# Altium PCB ART 6LoWPAN_V1.3.PcbDoc
Units mil, origin at the board's own origin, x right, y up, seen from the top; angles counter-clockwise.
Board outline 2698.21 x 2098.43 mil, 2 copper layers (Top Layer, Bottom Layer); 59 components, 63 nets, 271 pads, 102 vias.
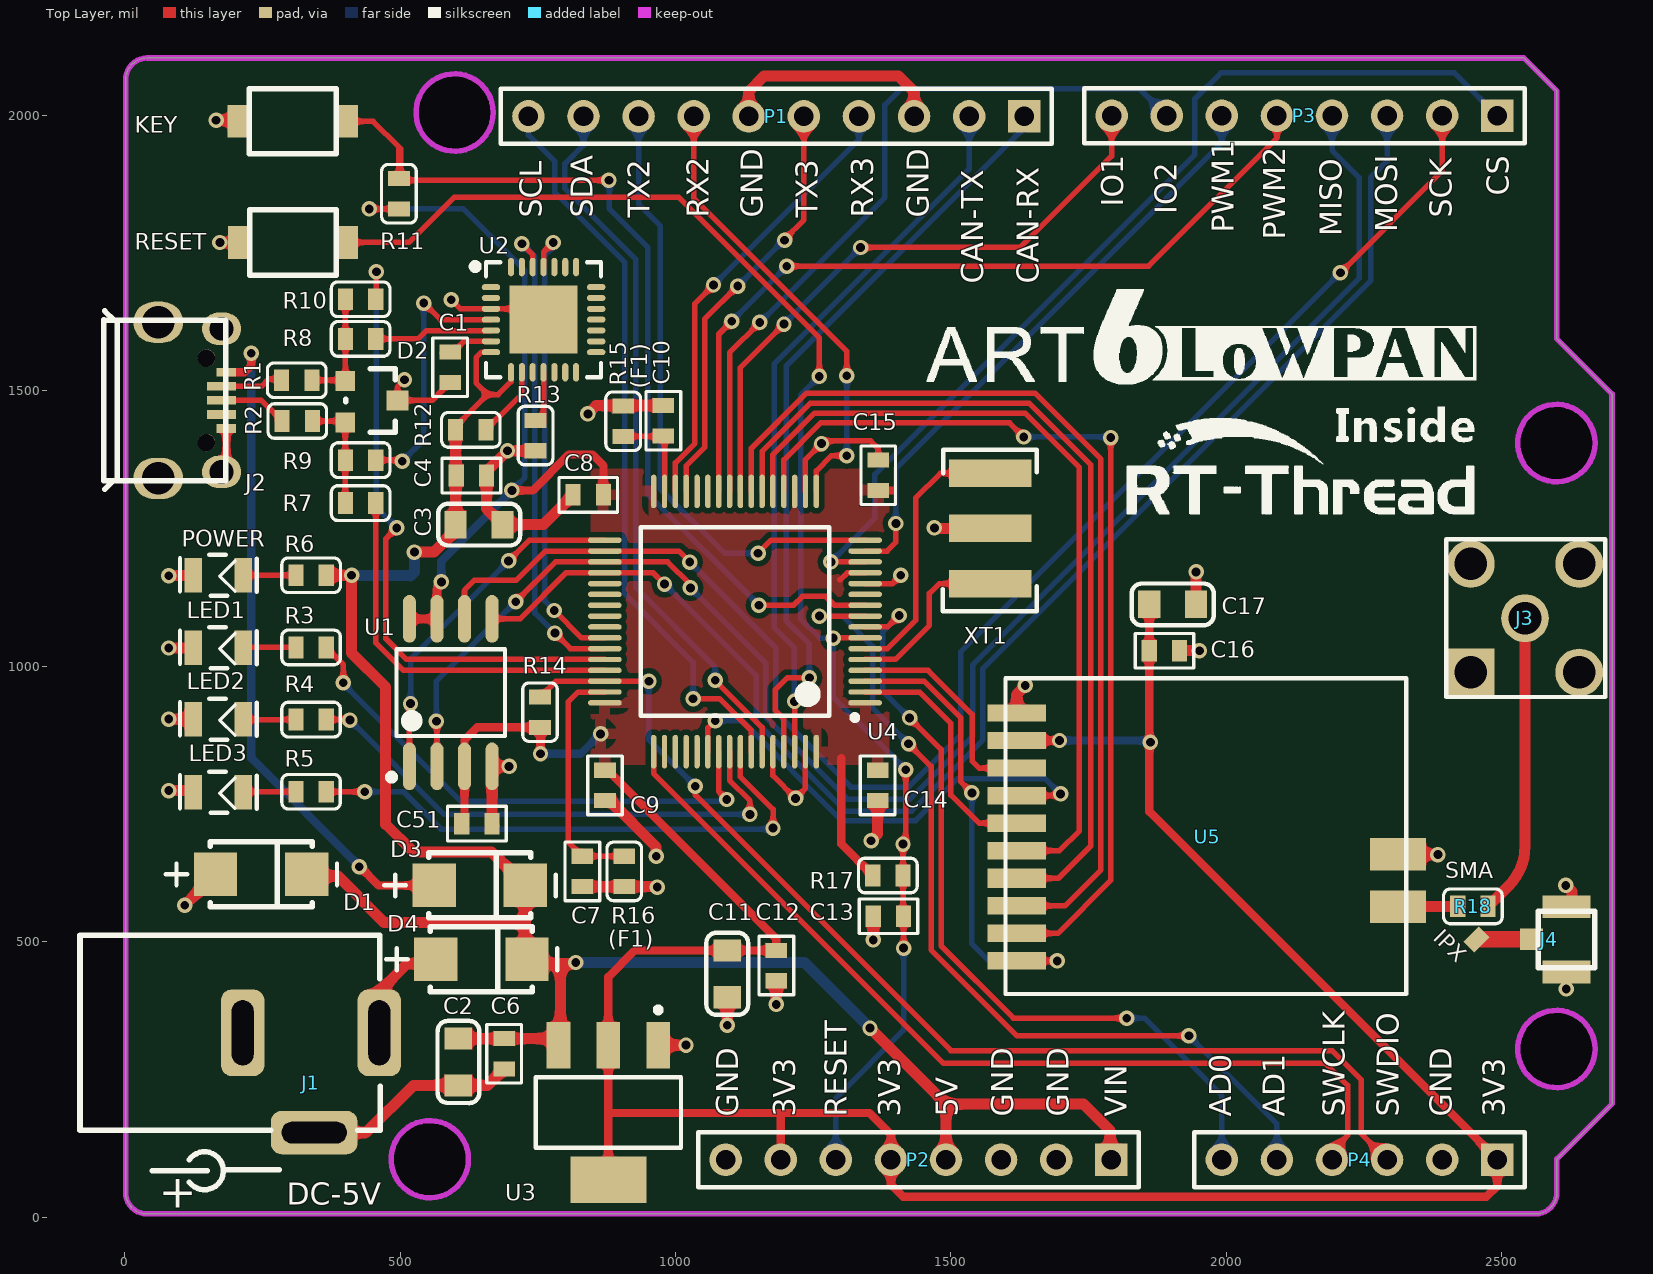
[diagram p0: Top Layer view]
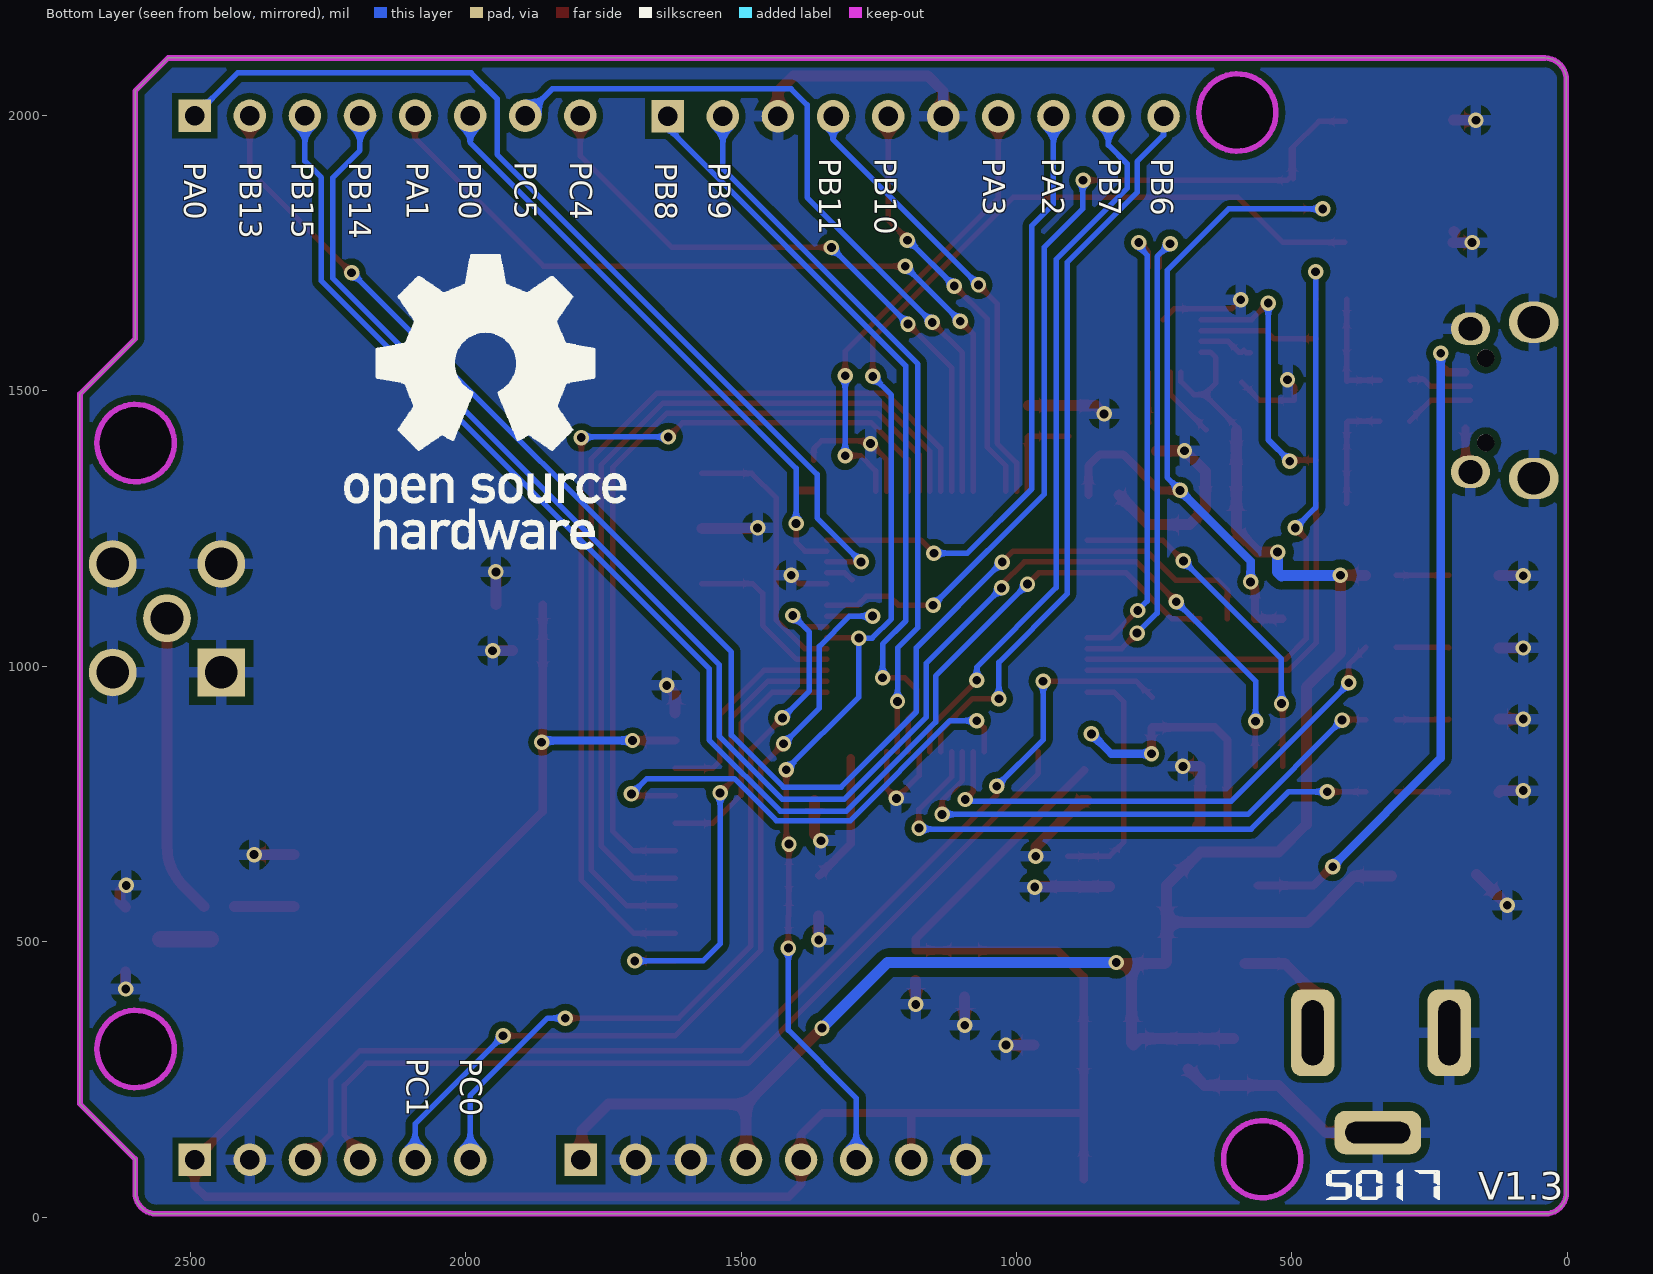
[diagram p1: Bottom Layer view, seen from below]
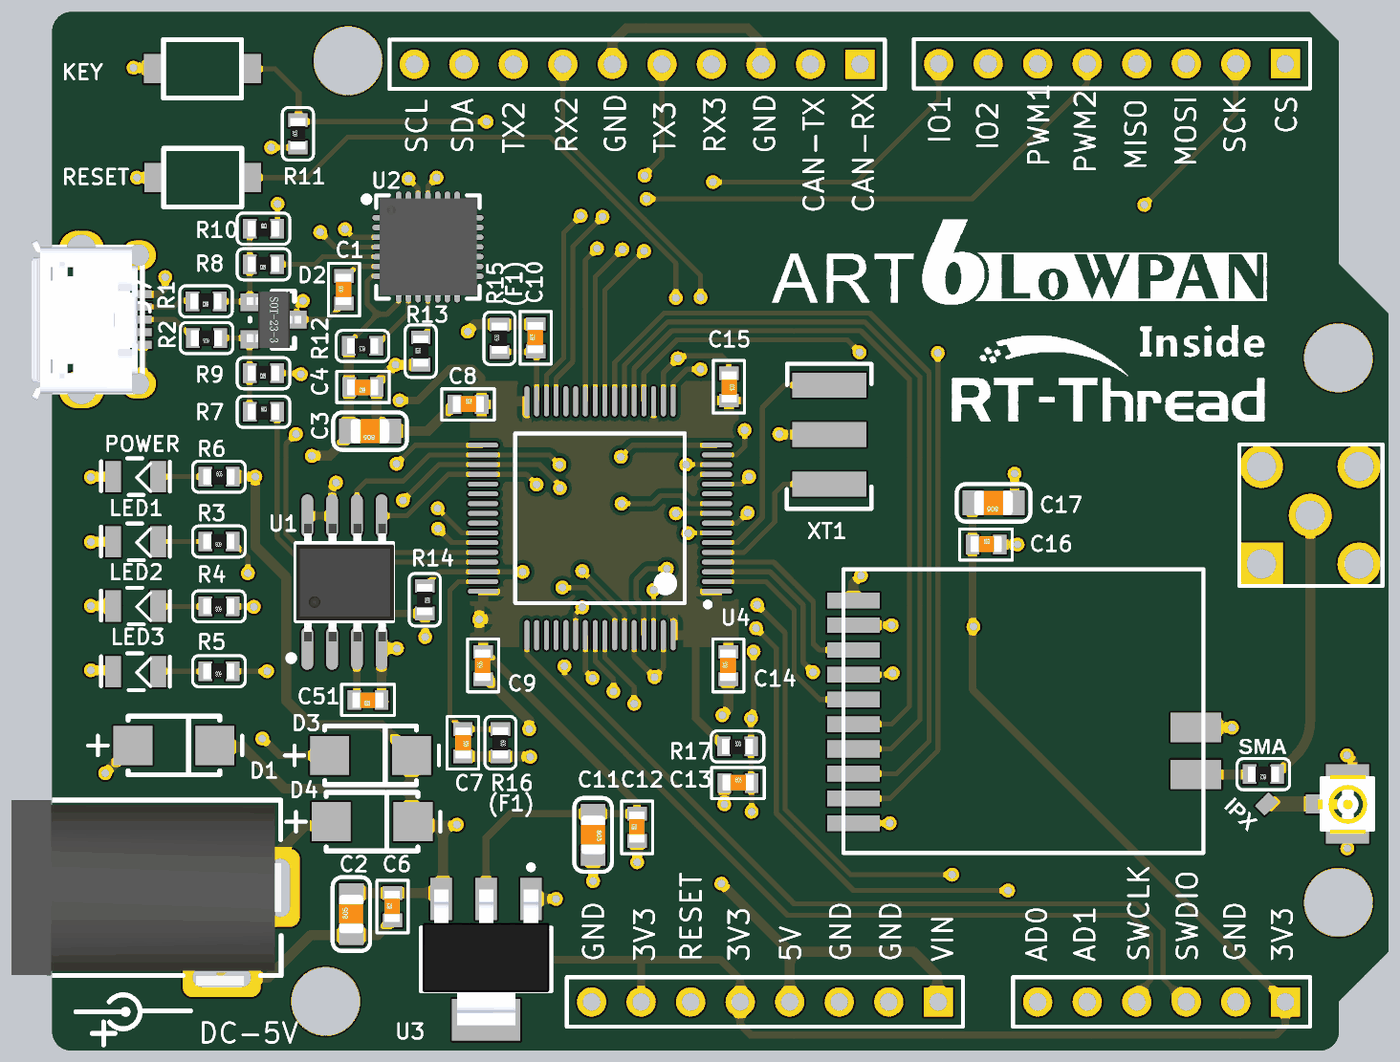
[diagram p2: 3D render of the assembled board from above, using the file's embedded part models]

## Layer stack, top to bottom
Top Solder: solder mask 0.4, Solder Resist, Dk 3.5
Top Layer: signal copper 1.4
Dielectric 1: dielectric 12.6, FR-4, Dk 4.8
Bottom Layer: signal copper 1.4
Bottom Solder: solder mask 0.4, Solder Resist, Dk 3.5

## Board outline
1.78,44.69 1.78,2063.98 cw(c41.35,2064.4) 40.93,2103.97 2540.05,2103.97 2600.03,2043.99 2600.03,1594.15 2699.99,1494.18 2699.99,205.47 2600.03,105.51 2600.03,44.69 cw(c2560.87,44.69) 2560.87,5.54 41.06,5.54 cw(c40.99,44.76)

## Design rules (kind name [scope] priority, off if disabled: settings)
AssemblyTestPointUsage [All] p1 off:
AssemblyTestpoint [All] p1 off: testpointundercomponent=TRUE minsize=40 maxsize=100 preferedsize=60 minholesize=0 maxholesize=40 preferedholesize=32 testpointgrid=1 usegrid=TRUE gridtolerance=0.01 allowsidetop=TRUE allowsidebottom=TRUE
Clearance Clearance_BX1 [InNet('NetBX1_2')] p1 off: gap=15
Clearance Clearance_5V [InNet('5V')] p2 off: gap=15
Clearance Clearance_3V3 [InNet('3V3')] p3 off: gap=10
Clearance Clearance_1 [All] p4: gap=7
ComponentClearance [All] p1 off: gap=10 collisioncheckmode=3 verticalgap=10 showdistances=FALSE
FabricationTestPointUsage [All] p1 off: valid=0 allowmultiple=FALSE
FabricationTestpoint [All] p1 off: side=3 testpointundercomponent=TRUE minsize=40 maxsize=100 preferedsize=60 minholesize=0 maxholesize=40 preferedholesize=32 testpointgrid=1 allowsidetop=TRUE allowsidebottom=TRUE usegrid=TRUE gridtolerance=0.01
Height [All] p1 off: minheight=0 maxheight=1000 prefheight=500
HoleSize [All] p1: absolutevalues=TRUE maxlimit=200 minlimit=1 maxpercent=80.000 minpercent=20.000
MinimumSolderMaskSliver [All] p1 off: minsoldermaskwidth=10
PasteMaskExpansion [All] p1 off: expansion=0
PlaneClearance [All] p1 off: clearance=20
PolygonConnect [All] p1: connectstyle=Relief reliefconductorwidth=20 reliefentries=4 polygonreliefangle="90 Angle" airgapwidth=15
RoutingVias [All] p1: holewidth=16 width=28 viastyle="Through Hole" minholewidth=16 minwidth=28 maxholewidth=100 maxwidth=150
SilkToSilkClearance [All] p1 off: silktosilkclearance=10
SilkToSolderMaskClearance [IsPad] p1 off: minsilkscreentomaskgap=10 clearancetoexposedcopper=TRUE
SolderMaskExpansion [All] p1 off: expansion=4
Width [All] p1: maxlimit=100 minlimit=10 preferedwidth=10 minimp=50.000000 maximp=50.000000 favimp=50.000000
18 further rules are at their usual default settings.

## Components (designator, comment, footprint, x,y, rotation, side; value= is the part's Value field where it differs from the comment)
C1 "104" C0603 591,1515 r90 top (schematic designator C32)
C2 "226" C0805 606,239 r90 top (schematic designator C18)
C3 "226" C0805 686,1257 r180 top (schematic designator C30)
C4 "104" C0603 657,1346 r180 top (schematic designator C31)
C6 "104" C0603 689,269 r90 top (schematic designator C1)
C7 "104" C0603 831,655 r270 top
C8 "104" C0603 814,1311 r0 top (schematic designator C9)
C9 "104" C0603 872,756 r90 top (schematic designator C15)
C10 "104" C0603 978,1418 r90 top (schematic designator C11)
C11 "226" C0805 1094,484 r270 top (schematic designator C4)
C12 "104" C0603 1183,429 r90 top (schematic designator C6)
C13 "104" C0603 1359,546 r0 top (schematic designator C16)
C14 "104" C0603 1367,756 r90 top (schematic designator C8)
C15 "104" C0603 1368,1374 r270 top (schematic designator C14)
C16 "104" C0603 1860,1028 r0 top (schematic designator C5)
C17 "226" C0805 1945,1112 r180 top (schematic designator C2)
C51 "104" C0603 667,714.12 r180 top
D1 "M7" SMA(DO-241AC) 165,622 r180 top
D2 "LESDA6V1L" SOT23 448,1480 r180 top (schematic designator D7)
D3 "SS14" SMA(DO-241AC) 562,602 r180 top
D4 "SS14" SMA(DO-241AC) 565,468 r180 top
J1 "DC005" DC-005A -81,511.61 r270 top (schematic designator J6)
J2 "Micro USB" "MICRO_USB_5S_B _1" 176,1533.62 r90 top (schematic designator J7)
J3 "SMA-KE" SMB-JE 2420,965 r0 top (schematic designator J1)
J4 "IPX天线座" IPX 2554,504 r270 top
KEY "轻触开关 4X3X2" K-4X3X2 384,2048 r180 top (schematic designator K2)
LED1 "LED0805G" LED0805 170,1033.33 r180 top
LED2 "LED0805" LED0805 170,903.67 r180 top
LED3 "LED0805G" LED0805 170,771 r180 top
P1 "2.54间距10针插针座" HDR1X10 1633,1998 r180 top (schematic designator P4)
P2 "2.54间距8针插针座" HDR1X8 1791,104 r180 top (schematic designator P1)
P3 "2.54间距8针插针座" HDR1X8 2491.73,1999 r180 top
P4 "2.54间距6针插针座" HDR1X6 2491.73,104.02 r180 top (schematic designator P2)
POWER "LED0805R" LED0805 170,1165 r180 top (schematic designator POWER1)
R1 "10" R0603 340,1519 r180 top (schematic designator R40)
R2 "10" R0603 341,1445 r180 top (schematic designator R41)
R3 "3K" R0603 366,1034 r180 top (schematic designator R57)
R4 "3K" R0603 366,903 r180 top (schematic designator R55)
R5 "3K" R0603 366,772 r180 top (schematic designator R56)
R6 "3K" R0603 311,1165 r0 top (schematic designator R7)
R7 "0" R0603 400.88,1296 r0 top (schematic designator R47)
R8 "0" R0603 456,1594 r180 top (schematic designator R45)
R9 "0" R0603 456,1374 r180 top (schematic designator R44)
R10 "0" R0603 400.88,1666 r0 top (schematic designator R46)
R11 "10k" R0603 498,1830 r90 top (schematic designator R48)
R12 "4.7K" R0603 656,1429 r180 top (schematic designator R42)
R13 "10K" R0603 746,1391 r90 top (schematic designator R43)
R14 "100K" R0603 754,944 r270 top (schematic designator R11)
R15 "0" R0603 905,1417 r90 top (schematic designator R52)
R16 "0" R0603 907,655 r270 top (schematic designator R51)
R17 "68K" R0603 1358,620 r0 top (schematic designator R20)
R18 "0" R0603 2475,564 r180 top (schematic designator R60)
RESET "轻触开关 4X3X2" K-4X3X2 227,1710 r0 top (schematic designator K1)
U1 "GD25Q128CSIG" LC_SOP8 592,952 r90 top (schematic designator U3)
U2 "CP2102" QFN-28 665,1688 r270 top (schematic designator U7)
U3 "AMS1117-3.3" SOT-223 878,190 r180 top (schematic designator U4)
U4 "STM32F405RGT6" LQFP64 1108,1081 r180 top (schematic designator U6)
U5 "E10-433MS" E10-433M 1596,915 r0 top
XT1 "8M_XT-SMD3" XT-SMD3 1571,1250 r90 top (schematic designator XT2)

## Footprints (in the part's own frame and the unit in brackets; to place one, negate y for a bottom-side part, rotate by r counter-clockwise, add the part's x,y. Pads: shape width x height; smd on the part's side, far side on the other; paste and mask are expansions set on the pad)
C0603 [mm]
  rect 0.7x1 smd: 1(0,0) 2(1.4,0)
  silkscreen extent -0.65,-0.8 2.05,0.8, body extent -0.09,-0.38 1.51,0.42, height 0.3
C0805 [mil]
  rect 40x50 smd: 1(0,0) 2(85,0)
  silkscreen extent -32,-38 117,38, body extent 3,-25 82,25, height 30
DC-005A [mm]
  rrect50% 4x2 hole 1 slot 3 at 0 deg: 1(4.5,13.8) 2(4.5,7.5)
  rrect50% 2x4 hole 1 slot 3 at 90 deg: 3(9.1,10.8)
  silkscreen extent 0,0 9,13.84, body extent 0,0.02 9.5,13.84, height 11.02
E10-433M [mm]
  rect 2.7x0.8 smd: 1(0.6,0) 2(0.6,-1.27) 3(0.6,-2.54) 4(0.6,-3.81) 5(0.6,-5.08) 6(0.6,-6.35) 8(0.6,-8.89) 9(0.6,-10.16) 10(0.6,-11.43)
  rect 2.7x0.9 smd: 7(0.6,-7.62)
  rect 2.6x1.5 smd: 11(18.172,-8.925) 12(18.172,-6.515)
  silkscreen extent 0.08,-12.96 18.55,1.59
HDR1X6 [mm] "Connector; Header; 6 Position"
  rect 1.5x1.5 hole 0.9: 1(0,0)
  round 1.5 hole 0.9: 2(2.54,0) 3(5.08,0) 4(7.62,0) 5(10.16,0) 6(12.7,0)
  silkscreen extent -1.27,-1.27 13.97,1.27
HDR1X8 [mm] "Connector; Header; 8 Position"
  rect 1.5x1.5 hole 0.9: 1(0,0)
  round 1.5 hole 0.9: 2(2.54,0) 3(5.08,0) 4(7.62,0) 5(10.16,0) 6(12.7,0) 7(15.24,0) 8(17.78,0)
  silkscreen extent -1.27,-1.27 19.05,1.27
HDR1X10 [mm] "Connector; Header; 10 Position"
  rect 1.5x1.5 hole 0.9: 1(0,0)
  round 1.5 hole 0.9: 2(2.54,0) 3(5.08,0) 4(7.62,0) 5(10.16,0) 6(12.7,0) 7(15.24,0) 8(17.78,0) 9(20.32,0) 10(22.86,0)
  silkscreen extent -1.27,-1.27 24.13,1.27
IPX [mm] "贴片IPX天线座"
  rect 1x1.05 smd: 1(0,0)
  rect 1.05x2.2 smd: 2(-1.5,1.608) 3(1.5,1.608)
  silkscreen extent -1.3,0.31 1.3,2.91, body extent -1.47,0.08 1.53,2.93, height 2
K-4X3X2 [mm] "2脚轻触开关"
  rect 1x1.5 smd: 1(-0.5,1.5) 2(4.5,1.5)
  silkscreen extent 0,0 4,3, body extent -0.03,0 4.06,3.02, height 2
LC_SOP8 [mm]
  oval 2.2x0.6 smd: 1(-3.4,1.905) 2(-3.4,0.635) 3(-3.4,-0.635) 4(-3.4,-1.905) 5(3.4,-1.905) 6(3.4,-0.635) 7(3.4,0.635) 8(3.4,1.905)
  silkscreen extent -4.05,-2.5 2,2.88, body extent -3.05,-2.54 3,2.48, height 1.6
LED0805 [mil]
  rect 32x62.99 smd: 1(-45.5,0) 2(45.5,0)
  silkscreen extent -70,-37 70,37, body extent -40,-27 40,23, height 36
LQFP64 [mm]
  oval 1.55x0.25 smd: 1(-6,3.75) 2(-6,3.25) 3(-6,2.75) 4(-6,2.25) 5(-6,1.75) 6(-6,1.25) 7(-6,0.75) 8(-6,0.25) 9(-6,-0.25) 10(-6,-0.75) 11(-6,-1.25) 12(-6,-1.75) 13(-6,-2.25) 14(-6,-2.75) 15(-6,-3.25) 16(-6,-3.75) 33(6,-3.75) 34(6,-3.25) 35(6,-2.75) 36(6,-2.25) 37(6,-1.75) 38(6,-1.25) 39(6,-0.75) 40(6,-0.25) 41(6,0.25) 42(6,0.75) 43(6,1.25) 44(6,1.75) 45(6,2.25) 46(6,2.75) 47(6,3.25) 48(6,3.75)
  oval 0.25x1.55 smd: 17(-3.75,-6) 18(-3.25,-6) 19(-2.75,-6) 20(-2.25,-6) 21(-1.75,-6) 22(-1.25,-6) 23(-0.75,-6) 24(-0.25,-6) 25(0.25,-6) 26(0.75,-6) 27(1.25,-6) 28(1.75,-6) 29(2.25,-6) 30(2.75,-6) 31(3.25,-6) 32(3.75,-6) 49(3.75,6) 50(3.25,6) 51(2.75,6) 52(2.25,6) 53(1.75,6) 54(1.25,6) 55(0.75,6) 56(0.25,6) 57(-0.25,6) 58(-0.75,6) 59(-1.25,6) 60(-1.75,6) 61(-2.25,6) 62(-2.75,6) 63(-3.25,6) 64(-3.75,6)
  silkscreen extent -5.65,-4.35 4.35,4.55, body extent -6.55,-6.54 6.57,6.57, height 1.21
"MICRO_USB_5S_B _1" [mm] "带固定脚的USB接口圆孔"
  round 0.8 hole 0.8: 0(-3.25,0.7) 0(0.65,0.7)
  rect 0.4x0.9 smd: 1(0,-0.225) 5(-2.6,-0.225)
  rect 0.4x1.35 smd: 2(-0.65,0) 3(-1.3,0) 4(-1.95,0)
  oval 1.5x1.8 hole 1.1: 6(-4.6,0) 7(2,0)
  oval 1.9x2.3 hole 1.5: 8(2.3,2.921) 9(-4.9,2.921)
  silkscreen extent -5.41,-0.2 2.82,5.43, body extent -5.43,0.04 2.77,5.47
QFN-28 [mm]
  rect 3.13x3.13 smd mask+0.051: 0(1.5,2.425)
  oval 0.28x0.85 smd mask+0.051: 1(0,0) 2(0.5,0) 3(1,0) 4(1.5,0) 5(2,0) 6(2.5,0) 7(3,0) 15(3,4.85) 16(2.5,4.85) 17(2,4.85) 18(1.5,4.85) 19(1,4.85) 20(0.5,4.85) 21(0,4.85)
  oval 0.85x0.28 smd mask+0.051: 8(3.925,0.925) 9(3.925,1.425) 10(3.925,1.925) 11(3.925,2.425) 12(3.925,2.925) 13(3.925,3.425) 14(3.925,3.925) 22(-0.925,3.925) 23(-0.925,3.425) 24(-0.925,2.925) 25(-0.925,2.425) 26(-0.925,1.925) 27(-0.925,1.425) 28(-0.925,0.925)
  silkscreen extent -1.15,-0.87 4.15,5.07, body extent -1,-0.06 4,4.94, height 1
R0603 [mm]
  rect 0.7x1 smd: 1(0,0) 2(1.4,0)
  silkscreen extent -0.65,-0.8 2.05,0.8, body extent -0.1,-0.4 1.5,0.4, height 0.3
SMA(DO-241AC) [mm]
  rect 2x2 smd: 1(0,0) 2(-4.2,0)
  silkscreen extent -5.6,-1.5 2.3,1.5
SMB-JE [mm]
  rect 2.2x2.2 hole 1.5: 1(0.6,0.6)
  round 2.2 hole 1.5: 2(5.6,0.6) 3(5.6,5.6) 4(0.6,5.6) 5(3.1,3.1)
  silkscreen extent -0.53,-0.53 6.81,6.73, body extent 0.08,0.11 6.17,6.08, height 8.01
SOT23 [mil]
  rect 36x36 smd: 1(47.5,-37.5) 2(47.5,37.5)
  rect 40x36 smd: 3(-47.5,-2.5)
  silkscreen extent -43,-60 47,55, body extent -57,-59 54,55, height 47
SOT-223 [mm] "SOT-223/SC-73; 4 Leads; Body 6.7 x 7.3 mm, inc. leads (LxW max)"
  rect 1.1x2.15 smd: 1(-2.3,-3.1) 2(0,-3.1) 3(2.3,-3.1)
  rect 3.5x2.15 smd: 4(0,3.1)
  silkscreen extent -3.35,-4.85 3.35,1.63, body extent -3.25,-3.58 3.25,3.38, height 1.65
XT-SMD3 [mm] "3脚贴片晶振"
  rect 1.27x3.8 smd: 1(-2.54,0) 2(2.54,0) 3(0,0)
  silkscreen extent -3.81,-2.16 3.63,2.18, body extent -3.81,-1.78 3.68,1.78, height 1.5

## Part data
C1 C3 C4 C7 C8 C9 C10 C13 C14 C15: library part C0603
C2 C6 C11 C12 C16 C17 C51: library part Cap, "Capacitor"
D1 D3 D4: library part 4148
D2: library part SM712
J1 J4: library part "Header 3", "Header, 3-Pin"
J2: library part "Header 9", "Header, 9-Pin"
J3: library part 天线
KEY RESET: library part "Header 2", "Header, 2-Pin"
LED1 LED2 LED3: library part LED3, "Typical BLUE SiC LED"
P1: library part "Header 10", "Header, 10-Pin"
P2 P3: library part "Header 8", "Header, 8-Pin"
P4: library part "Header 6", "Header, 6-Pin"
POWER: library part LED0805
R1 R2 R7 R8 R9 R10 R12 R13 R14 R15 R16 R17 R18: library part R0603
R3 R4 R5 R6 R11: library part Res2, "Resistor"
U1: "SPIFLASH"
U3: library part LM1117-3.3
U4: library part STM32F103RBT6, "STM32 ARM-based 32-bit MCU with 128 Kbytes Flash, 64-pin LQFP, Industrial Temperature"
U5: "SI4463芯片433MHZ无线模块"
XT1: library part XT-SMD3, "Crystal Oscillator"

## Free pads (board coordinates)
  round 137.8 hole 137.8: 0(554,105) 0(599,2005) 0(2599,305) 0(2599,1405)
  round 20 on Top Overlay: 2(150,84)
  rect 39.37x27.56 smd rot 45: 3(2454,504)

## Via types
v1: diameter 28, hole 16, Top Layer to Bottom Layer, 102 vias

## Nets (pads, with @x,y where several pads share a name; then routed paths per layer and width w, separated by ;. In a path a pad name is that pad's centre, name@x,y a point inside that pad or via, vN(x,y) a via of type N, cw(c..) or ccw(c..) an arc to the next point about the centre after c; other vN are vias at no path point)
3V3: C8.2 C9.2 C11.1 C12.2 C14.2 C15.2 C16.1 C17.2 C51.2 P2.5 P2.7 P4.1 R11.1 R14.2 R17.1 U1.3 U1.7 U1.8 U3.2 U3.4 U4.1 U4.13 U4.19 U4.32 U4.48 U4.64 U5.2 | length 6696.4
  Top Layer w10: v1(444,1830) R11.1 ; 1298,1157 1299.24,1157 1311.82,1169.58 U4.13
  Top Layer w15: U1.8 U1.7 567,1145 v1(575,1153) ; C51.2@616,710 617,711 U1.3 617,866 639.88,888.88 R14.2 755,887.88 v1(755,841) ; v1(703,1319) 741,1319 806,1384 849,1384 869.12,1363.88 C8.2 ; C9.2@876.88,811.12 1183,505 C12.2 1182.88,484 C11.1 926,484 878,436 U3.4 ; 882,189 1352,189 1391,150 P2.5 1391,59 1413,37 2472,37 2491.73,56.73 P4.1 1860,735.75 C16.1 C17.2 ; P2.7 1191,184 ; 1301,833 1301,677 R17.1 ; C15.2 1393.88,1318.88 ; U5.2 v1(1697,865)
  Bottom Layer w10: v1(444,1830) 615,1830 726.75,1718.25 726.75,1342.75 v1(703,1319)
  Bottom Layer w15: v1(575,1153) 575,1191 v1(703,1319) ; v1(755,841) 828,841 v1(864,877) ; v1(1697,865) 1859,865 v1(1862,862)
5V: C2.2 C3.2 C4.2 C6.2 D1.2 D3.2 D4.2 P2.1 P2.4 R6.2 R12.2 U2.7 U2.8 U3.3 | length 3779.1
  Top Layer w10: R12.2 600.88,1434.88 659,1493 ; U2.7 647.89,1569.89 638,1560 638,1514 659,1493 ; U2.8 701.42,1516.42 678,1493 659,1493
  Top Layer w20: D1.2@319,619 387,619 471,535 727.35,535 ; R6.2 v1(412,1165) 412,1024 474,962 474,713 524,663 666.35,663 D3.2 727.35,535 ; v1(526,1207) 562,1207 600.88,1245.88 R12.2 ; C2.2 775.5,324 U3.3 791,315.6 791,460 ; v1(819,462) 817,460 791,460 ; v1(1353,343) 1491,205 ; P2.4 1491,205 ; P2.1@1795.63,104 1789,110.63 1789,157 1741,205 1491,205 ; 727.35,535 727.35,463 730.35,460 791,460
  Bottom Layer w20: v1(412,1165) 518,1165 519,1164 526,1171 v1(526,1207) ; v1(819,462) 1234,462 v1(1353,343)
ADC10: P4.6 U4.8 | length 1472.7
  Top Layer w10: U4.8 1385.16,1071.16 v1(1406,1092) ; v1(1425,906) 1482,849 1482,492.46 1613.46,361 v1(1819,361)
  Bottom Layer w10: v1(1406,1092) 1376,1062 1376,955 v1(1425,906) v1@1427,906 ; v1(1819,361) 1851,361 1991.73,220.27 P4.6 ; P4.6@1975.98,104.02 P4.6@1980,108.03
ADC11: P4.5 U4.9 | length 1626.3
  Top Layer w10: v1(1261.16,1090.84) U4.9 ; v1(1423,859) 1464,818 1464,485 1620,329 v1(1932,329) v1@1932,334
  Bottom Layer w10: v1(1261.16,1090.84) 1303.16,1090.84 1358,1036 1358,924 v1(1423,859) ; v1(1932,329) 2091.73,169.27 P4.5
CAN1_RX: P1.1 U4.61 | length 1405.1
  Top Layer w10: U4.61 1196.58,904.42 1181,920 1181,957 1203,979 v1(1243,979)
  Bottom Layer w10: v1(1243,979) 1243,1040 1201,1082 1201,1545 1633,1977 P1.1
CAN1_TX: P1.2 U4.62 | length 1328.1
  Top Layer w10: v1(1216,936) v1@1216.27,936 ; U4.62 v1@1216.27,936 ; v1@1220,936.27 v1@1219.27,937 ; v1@1216.27,936 1216.27,940 v1@1219.27,937 ; v1@1216.27,936 1218.27,936 v1@1219.27,937
  Bottom Layer w10: v1(1216,936) 1216,1033 1179,1070 1179,1548.46 1533,1902.46 P1.2
E_CS: P3.1 U4.14 | length 1777.3
  Top Layer w10: v1(1282,1189.27) U4.14
  Bottom Layer w10: v1(1282,1189.27) 1362,1269.27 1362,1348 1943,1929 1943,2030 1990,2077 2413.73,2077 P3.1
GND: C1.1 C2.1 C3.1 C4.1 C6.1 C7.2 C8.1 C9.1 C10.2 C11.2 C12.1 C13.1 C14.1 C15.1 C16.2 C17.1 C51.1 D1.1 D2.3 J1.2 J1.3 J2.5 J2.6 J2.7 J2.8 J2.9 J3.1 J3.2 J3.3 J3.4 J4.2 J4.3 KEY.2 LED1.2 LED2.2 LED3.2 P1.3 P1.6 P2.2 P2.3 P2.8 P4.2 POWER.2 R13.1 R15.2 R16.2 RESET.1 U1.4 U2.0 U2.3 U3.1 U4.12 U4.18 U4.60 U4.63 U5.1 U5.12 XT1.3 | length 3614.1
  Top Layer w10: v1(508,1520) 495.5,1507.5 D2.3 558.5,1482.5 C1.1 ; v1(593,1665) 609.37,1648.63 713.79,1648.63 U2.0@733.47,1628.94 ; U4.60 1176.9,801.1 v1(1218,760) 1235.95,777.95 U4.63 ; U4.18 1235.95,1374.95 v1(1265,1404) 1270,1409 1354,1409 1368,1395 C15.1 ; U4.12 1393.9,1149.9 v1(1409,1165)
  Top Layer w15: J2.6 184.84,1361.36 J2.5
  Top Layer w20: v1(80,774) 121.5,774 LED3.2 ; v1@82,1164 83,1165 POWER.2 ; v1@83,1033 83.33,1033.33 LED1.2 ; v1@88,904 88.33,903.67 LED2.2 ; v1@108,566 v1(109,566) D1.1 ; v1(166,1991) KEY.2@206.83,1991 ; v1(173,1769) 173.06,1769.06 RESET.1 ; RESET.1@203.89,1787 RESET.1@205.83,1788.94 ; J1.3 438.35,153.35 524,239 C2.1 659,239 C6.1 ; C51.1@671.12,710 C51.1 U1.4 697.86,818.14 v1(698,818) ; R13.1 v1(695,1391) 657,1353 C4.1 657,1286 C3.1 760,1257 C8.1 ; C7.2 R16.2 966.12,599.88 v1(967,599) ; v1(841,1458) 856.12,1473.12 C10.2 ; C9.1 881,756 965,672 v1(965,655) ; U3.1 v1(1019.05,312.05) ; v1(1094,348) C11.2 ; P1.6 1133,2043 1161,2071 1405,2071 1433,2043 P1.3 ; v1(1183,386) C12.1 ; v1(1355,683) 1367,695 C14.1 ; v1(1359,503) C13.1 ; v1(1470,1251) 1471,1250 XT1.3 ; U5.1 1619.62,949.62 v1(1635,965) ; C16.2 v1(1951,1028) ; C17.1 v1(1945,1171) ; U5.12 2383.5,658.5 v1(2384,658) ; v1(2616,602) 2627,591 2627,572.75 J4.2 ; v1(2617,414) 2617.31,414.31 J4.3
  other v1: 80,904 80,1033 80,1164
GPIO0: U4.4 U5.3 | length 398.7
  Top Layer w10: U4.4 1458.58,992.42 1538.5,912.5 1538.5,827.5 1551,815 U5.3
GPIO1: U4.54 U5.4 | length 883.3
  Top Layer w10: U4.54 1058.79,887.79 v1(1072,901) ; U5.4 v1@1696,765
  Bottom Layer w10: v1(1072,901) 1120.5,901 1301.73,719.77 1435.81,719.77 1512.04,796 1671,796 v1(1699,768)
I2C1_SCL: P1.10 U4.58 | length 1348.8
  Top Layer w10: v1(1032,941) 1079.82,941 1137.53,883.29 U4.58
  Bottom Layer w10: P1.10 733,1964 781,1916 781,1860 908,1733 908,1131 1032,1007 v1(1032,941)
I2C1_SDA: P1.9 U4.59 | length 1315.7
  Top Layer w10: v1(1072,974.27) 1157.21,889.06 U4.59
  Bottom Layer w10: P1.9 833,1946 799,1912 799,1867.46 928,1738.46 928,1142.43 1072,998.43 v1(1072,974.27)
LED1: R3.1 U4.55 | length 957.1
  Top Layer w10: R3.1 397,1003 v1(397,970) ; U4.55 1078.47,772.53 v1(1093,758)
  Bottom Layer w10: v1(397,970) 397,968 610,755 1090,755 v1(1093,758)
LED2: R4.1 U4.56 | length 971.9
  Top Layer w10: R4.1 v1@412,903 ; U4.56 1098.16,792.84 1135,756 v1(1135,731)
  Bottom Layer w10: v1(409,902) 580,731 v1(1135,731)
LED3: R5.1 U4.57 | length 1003.3
  Top Layer w10: R5.1 v1(436,772) ; U4.57 1117.84,799.16 1177,740 v1(1177,706)
  Bottom Layer w10: v1(436,772) 506,772 574,704 1175,704 v1(1177,706)
NetC1_2: C1.2 U2.6 | length 95.5
  Top Layer w10: C1.2@576,1569.12 583.12,1569.12 C1.2@587.56,1573.56 ; C1.2 596.54,1570.12 616,1589.57 U2.6
NetC7_1: C7.1 R16.1 U4.47 | length 441
  Top Layer w10: U4.47 823.05,953.05 805,935 805,681 C7.1 R16.1
NetC10_1: C10.1 R15.1 U4.31 | length 175
  Top Layer w10: R15.1 977,1417 C10.1 980.05,1415.95 U4.31
NetD2_1: D2.1 R1.1 R8.2 R10.1 | length 210.2
  Top Layer w10: R1.1 398,1519 400,1517 D2.1 400.88,1517.88 R10.1
NetD2_2: D2.2 R2.1 R7.1 R9.2 | length 207.2
  Top Layer w10: R2.1 398,1445 D2.2 400.5,1296.5 400.88,1296.12 R7.1@401,1296
NetD4_1: D4.1 J1.1 | length 218.5
  Top Layer w20: J1.1 462.31,409.31 513,460 D4.1@585,460
NetJ2_2: J2.2 R1.2 | length 115.1
  Top Layer w10: J2.2 248.25,1508.03 261.22,1521 282.88,1521 R1.2
NetJ2_3: J2.3 R2.2 | length 125.4
  Top Layer w10: J2.3 248.44,1482.44 R2.2
NetJ3_5: J3.5 R18.1 | length 546.5
  Top Layer w20: R18.1 2512.76,601.76 ccw(c2442.05,672.47) 2542.05,672.47 J3.5
NetJ4_2: J4.1 pad.3 | length 91
  Top Layer w30: pad.3@2463,504 J4.1
NetKEY_1: KEY.1 R11.2 U4.10 | length 1690
  Top Layer w10: KEY.1 451.06,1988.94 498,1942 ; R11.2 498,1942 ; v1(879,1882) 509.12,1882 501,1890.12 501,1939 498,1942 ; v1(1151.47,1110.53) 1214.53,1110.53 1230.5,1126.5 1272.5,1126.5 1288.47,1110.53 U4.10
  Bottom Layer w10: v1@880,1877 880,1830 950,1760 950,1312 v1(1151.47,1110.53)
NetLED2_1: LED2.1 R4.2 | length 95.7
  Top Layer w10: LED2.1 216.17,903 R4.2
NetLED3_1: LED3.1 R5.2 | length 95.8
  Top Layer w10: LED3.1 216.5,772 R5.2
NetPOWER_1: POWER.1 R6.1 | length 95.5
  Top Layer w10: POWER.1 R6.1
NetR3_2: LED1.1 R3.2 | length 95.7
  Top Layer w10: LED1.1 216.17,1034 R3.2
NetR8_1: R8.1 U2.5 | length 215.3
  Top Layer w10: R8.1 532.48,1594 547.74,1609.26 U2.5
NetR9_1: R9.1 U2.4 | length 486.4
  Top Layer w10: R9.1 502,1374 v1(504,1372) ; v1(543,1659) 573.06,1628.94 U2.4
  Bottom Layer w10: v1(504,1372) 543,1411 v1(543,1659)
NetR12_1: R12.1 U2.9 | length 131.4
  Top Layer w10: R12.1 721.1,1494.1 U2.9
NetR13_2: R13.2 U2.11 | length 91.5
  Top Layer w10: R13.2@760,1442.12 760.47,1442.59 U2.11
NetR18_2: R18.2 U5.11 | length 108.1
  Top Layer w20: U5.11 R18.2@2419.5,563.62
NetU4_5: U4.5 XT1.1 | length 317.8
  Top Layer w10: U4.5 1399,1012.1 1461,1074.1 1461,1132 1479,1150 XT1.1
NetU4_6: U4.6 XT1.2 | length 488.6
  Top Layer w10: U4.6 1384.79,1031.79 1436,1083 1436,1305 1481,1350 XT1.2
NRST: C13.2 P2.6 R17.2 RESET.2 U4.7 | length 2707.8
  Top Layer w10: RESET.2 516.06,1769.06 598,1851 1006,1851 1261,1596 v1(1261,1526) ; v1(1286,1051) 1286.47,1051.47 U4.7 ; v1@1414,488 v1(1414.12,488.12) C13.2 1413,547.12 v1(1413,677) 1418,682 v1(1418,812)
  Bottom Layer w10: v1(1261,1526) 1227,1492 1227,1086 1262,1051 v1(1286,1051) 1286,944 v1(1418,812) ; P2.6 1291,216 1414.12,339.12 v1(1414.12,488.12)
PA1: P3.6 U4.15 | length 1081.5
  Top Layer w10: U4.15 1383.95,1208.95 1400,1225 v1(1400,1259)
  Bottom Layer w10: v1(1400,1259) 1400,1359 1991.73,1950.73 P3.6
PB0: P3.5 U4.26 | length 1486.3
  Top Layer w10: U4.26 1078.47,1602.47 v1(1102,1626) ; v1(1202,1726) 1859,1726 2091.73,1958.73 P3.5
  Bottom Layer w10: v1(1102,1626) v1(1202,1726)
PC4: P3.8 U4.24 | length 1130.6
  Top Layer w10: U4.24 1117.84,1541.84 v1(1197,1621) ; v1(1336,1760) 1625.73,1760 1791.73,1926 P3.8
  Bottom Layer w10: v1(1197,1621) v1(1336,1760)
PC5: P3.7 U4.25 | length 1362.6
  Top Layer w10: U4.25 1098.16,1569.16 v1(1153,1624)
  Bottom Layer w10: v1(1153,1624) 1380,1851 1380,2019 1409,2048 1842.73,2048 P3.7
SDN: U4.3 U5.10 | length 860.9
  Top Layer w10: U4.3 1451.27,972.73 1518,906 1518,790 v1(1538,770) ; U5.10 v1(1693,465)
  Bottom Layer w10: v1(1538,770) 1538,496 1569,465 v1(1693,465)
SPI1_INT: U4.2 U5.5 | length 450.2
  Top Layer w10: U4.2 1442.95,953.05 1500,896 1500,766 1551,715 U5.5
SPI1_MISO: U4.22 U5.7 | length 1602.3
  Top Layer w10: U4.22 1157.21,1389.67 1245.04,1477.5 1641.96,1477.5 1754,1365.46 1754,674 1695,615 U5.7
SPI1_MOSI: U4.23 U5.8 | length 1728.9
  Top Layer w10: U4.23 1137.53,1395.44 1237.59,1495.5 1652.5,1495.5 1772,1376 1772,630 1707,565 U5.8
SPI1_NSS: U4.20 U5.9 | length 1703.6
  Top Layer w10: U4.20 1196.58,1374.58 1263.5,1441.5 1606.5,1441.5 v1(1632,1416) ; U5.9 1694,515 1790,611 v1(1790,1415)
  Bottom Layer w10: v1(1632,1416) 1789,1416 v1(1790,1415)
SPI1_SCK: U4.21 U5.6 | length 1483.2
  Top Layer w10: U4.21 1176.9,1383.9 1252.5,1459.5 1634.5,1459.5 1733,1361 1733,701 1697,665 U5.6
SPI2_MISO: P3.4 U1.2 U4.35 | length 2942.3
  Top Layer w10: v1(566,900) 567,899 U1.2 ; v1(710,1117) 782.27,1189.27 U4.35 985.73,1189.27 1027,1148 v1(1027,1142)
  Bottom Layer w10: v1(566,900) 566,973 v1(710,1117) ; v1(1027,1142) 1164,1005 1164,907 1312.5,758.5 1425.31,758.5 1539.5,872.69 1539.5,1002.5 2241,1704 2241,1887 2191.73,1936.27 P3.4
SPI2_MOSI: P3.3 U1.5 U4.36 | length 2644.3
  Top Layer w10: U1.5 717.86,1085.86 801.58,1169.58 U4.36 959.42,1169.58 v1(980,1149)
  Bottom Layer w10: v1(980,1149) 1147,982 1147,898.54 1308.77,736.77 1428.77,736.77 1558,866 1558,995.54 2262,1699.54 2262,1887 2291.73,1916.73 P3.3
SPI2_NSS: U1.1 U4.33 | length 637.8
  Top Layer w10: U1.1 517,930 v1(519,932) ; v1(697,1191) 734.64,1228.64 U4.33
  Bottom Layer w10: v1(519,932) 519,1013 644,1138 v1(697,1191)
SPI2_SCK: P3.2 U1.6 U4.34 | length 2753.4
  Top Layer w10: U1.6 617,1138 635,1156 711,1156 763.95,1208.95 U4.34 1006.05,1208.95 v1(1026,1189) ; v1(2207,1714) 2391.73,1898.73 P3.2
  Bottom Layer w10: v1(1026,1189) 1182,1033 1182,917 1318.5,780.5 1423.27,780.5 1517.54,874.77 1517.54,1025.46 2206.09,1714 v1(2207,1714)
SWCLK: P4.4 U4.49 | length 1680.5
  Top Layer w10: U4.49 960.36,805.16 1486.52,279 2180,279 2220,239 2220,148.27 2191.73,120 P4.4
SWDIO: P4.3 R14.1 U4.46 | length 2038.8
  Top Layer w10: R14.1 782.73,972.73 U4.46 v1(951.73,972.73) ; v1(1036,782) 1036,766 1500,302 2192,302 2245,249 2245,150.75 P4.3
  Bottom Layer w10: v1(951.73,972.73) 951.73,866.27 v1(1036,782)
U1_RX: U2.26 U4.43 | length 884.5
  Top Layer w10: v1(721.21,1766.79) 740.79,1747.21 U2.26 ; v1(781,1060) 809.21,1031.79 U4.43
  Bottom Layer w10: v1(721.21,1766.79) 744.75,1743.25 744.75,1096.25 v1(781,1060)
U1_TX: U2.25 U4.42 | length 845.6
  Top Layer w10: U2.25 760.47,1751.47 v1(778,1769) ; v1(780,1101) 829.53,1051.47 U4.42
  Bottom Layer w10: v1(778,1769) 778,1761.25 762.75,1746 762.75,1118.25 v1(780,1101)
U2_RX: P1.7 U4.17 | length 835.3
  Top Layer w10: P1.7 1033,1849.46 1311,1571.46 v1(1311,1527) ; U4.17 1255.64,1354.64 1283,1382 v1(1311,1382)
  Bottom Layer w10: v1(1311,1382) v1(1311,1527)
U2_TX: P1.8 U4.16 | length 1122.6
  Top Layer w10: v1(1150,1205) 1173.64,1228.64 U4.16
  Bottom Layer w10: P1.8 933,1838.82 972,1799.82 972,1322 1089,1205 v1(1150,1205)
U3_RX: P1.4 U4.30 | length 818.8
  Top Layer w10: U4.30 999.73,1369.19 1035,1404.46 1035,1658 v1(1069,1692)
  Bottom Layer w10: v1(1069,1692) 1333,1956 P1.4
U3_TX: P1.5 U4.29 | length 770.4
  Top Layer w10: U4.29 1019.42,1363.42 1053,1397 1053,1630 v1(1113,1690) ; v1(1198,1773) 1198,1775 1233,1810 P1.5
  Bottom Layer w10: v1(1113,1690) 1196,1773 v1(1198,1773)
USB_FS_DM: R10.2 U4.44 | length 1153.6
  Top Layer w10: R10.2 457,1667 v1(457,1716) ; v1(494,1251) 474,1231 474,1049.87 511.77,1012.1 U4.44
  Bottom Layer w10: v1(457,1716) 457,1288 v1(494,1251)
USB_FS_DP: R7.2 U4.45 | length 690.1
  Top Layer w10: R7.2 456,1042.42 506,992.42 U4.45
VBUS: D3.1 J2.1 | length 1236.7
  Top Layer w15: J2.1 217.62,1533.62 230,1546 v1(230,1568) ; v1(426,636) 426,637 461,602 D3.1
  Bottom Layer w15: v1(230,1568) 230,833 v1@426.5,636.5
pads on no net: J2.0 J2.4 U2.1 U2.2 U2.10 U2.12 U2.13 U2.14 U2.15 U2.16 U2.17 U2.18 U2.19 U2.20 U2.21 U2.22 U2.23 U2.24 U2.27 U2.28 U4.11 U4.27 U4.28 U4.37 U4.38 U4.39 U4.40 U4.41 U4.50 U4.51 U4.52 U4.53

## Polygon pours and split planes (outlines as drawn)
GND on Bottom Layer "GND" (solid, remove dead copper, pour order 0): -13,2095 -39,2069 -39,31 -39,1 -36,-2 -33,-5 2696,-5 2696,2081 2684,2093
3V3 on Top Layer "Power" (solid, remove dead copper, pour order 2): 847.89,1358.08 845.89,1356.08 845.89,821.08 1386.89,821.08 1388.89,823.08 1387.89,824.08 1387.89,1358.08

## Keep-outs
Keep-Out Layer:
  circle w0.25: c40.93,2103.97 r0.12
  circle w0.25: c40.93,5.54 r0.12
  circle w0.25: c-224.84,5.54 r0.12
  circle w0.25: c2699.99,205.47 r0.12
  circle w0.25: c1.78,205.47 r0.12
  circle w10: c599,2005 r70.16
  circle w10: c554,105 r70.16
  circle w10: c2599,305 r70.16
  circle w10: c2599,1405 r70.16
  lines w10: 40.93,5.54 2560.87,5.54 ccw(c2560.87,44.69) 2600.03,44.69 2600.03,105.51 2699.99,205.47 2699.99,1494.18 2600.03,1594.15 2600.03,2043.99 2540.05,2103.97 40.93,2103.97 ccw(c41.35,2064.4) 1.78,2063.98 1.78,44.69 ccw(c40.99,44.76) 41.06,5.54

## Silkscreen, mask and mechanical layers (free items; w line width, h text height)
Top Overlay:
  drawing of 3083 lines, arcs and shapes, not listed
  text "CS" at 2513,1853.99 h40 r90
  text "IO1" at 1813,1834 h40 r90
  text "IO2" at 1910,1820.66 h40 r90
  text "SCL" at 757,1814 h40 r90
  text "SDA" at 850,1814 h40 r90
  text "TX2" at 953,1814 h40 r90
  text "RX2" at 1060,1814 h40 r90
  text "GND" at 1158,1814 h40 r90
  text "TX3" at 1258,1814 h40 r90
  text "RX3" at 1359,1814 h40 r90
  text "GND" at 1460,1814 h40 r90
  text "SCK" at 2409,1814 h40 r90
  text "PWM1" at 2013,1787 h40 r90
  text "MOSI" at 2310,1787.34 h40 r90
  text "MISO" at 2209,1780.68 h40 r90
  text "PWM2" at 2107,1774.01 h40 r90
  text "CAN-TX" at 1559,1694.04 h40 r90
  text "CAN-RX" at 1659,1694.04 h40 r90
  text "(F1)" at 949,1504 h30 r90
  text "SMA" at 2397,605 h50
  text "IPX" at 2366,498 h50 r315
  text "(F1)" at 878,491 h30
  text "GND" at 1114,182 h40 r90
  text "3V3" at 1217,182 h40 r90
  text "RESET" at 1311,182 h40 r90
  text "3V3" at 1408,182 h40 r90
  text "5V" at 1512,182 h40 r90
  text "GND" at 1613,182 h40 r90
  text "GND" at 1714,182 h40 r90
  text "VIN" at 1819,182 h40 r90
  text "AD0" at 2009,182 h40 r90
  text "AD1" at 2106,182 h40 r90
  text "SWCLK" at 2215,182 h40 r90
  text "SWDIO" at 2313,182 h40 r90
  text "GND" at 2409,182 h40 r90
  text "3V3" at 2505,182 h40 r90
  text "DC-5V" at 294,22 h40
  text "+" at 62,17 h60
Bottom Overlay:
  drawing of 2503 lines, arcs and shapes, not listed
  text "PB6" at 755,1922 h40 r90
  text "PB7" at 850,1922 h40 r90
  text "PA2" at 953,1922 h40 r90
  text "PA3" at 1060,1922 h40 r90
  text "PB10" at 1257,1922 h40 r90
  text "PB11" at 1358,1922 h40 r90
  text "PC4" at 1810,1916 h40 r90
  text "PC5" at 1911,1916 h40 r90
  text "PB9" at 1559,1915 h40 r90
  text "PB0" at 2012,1915 h40 r90
  text "PA1" at 2107,1915 h40 r90
  text "PB14" at 2211,1915 h40 r90
  text "PB15" at 2316,1915 h40 r90
  text "PB13" at 2410,1915 h40 r90
  text "PA0" at 2511,1915 h40 r90
  text "PB8" at 1656,1914 h40 r90
  text "PC0" at 2010,288 h40 r90
  text "PC1" at 2107,288 h40 r90
  text "V1.3" at 162,31 h50
Mechanical 3:
  region: -223.66,2096.88 -226.03,2096.88 -224.84,2103.97